# Allegro board IMX7D EVK BOARD REV D_160314.brd (continued)
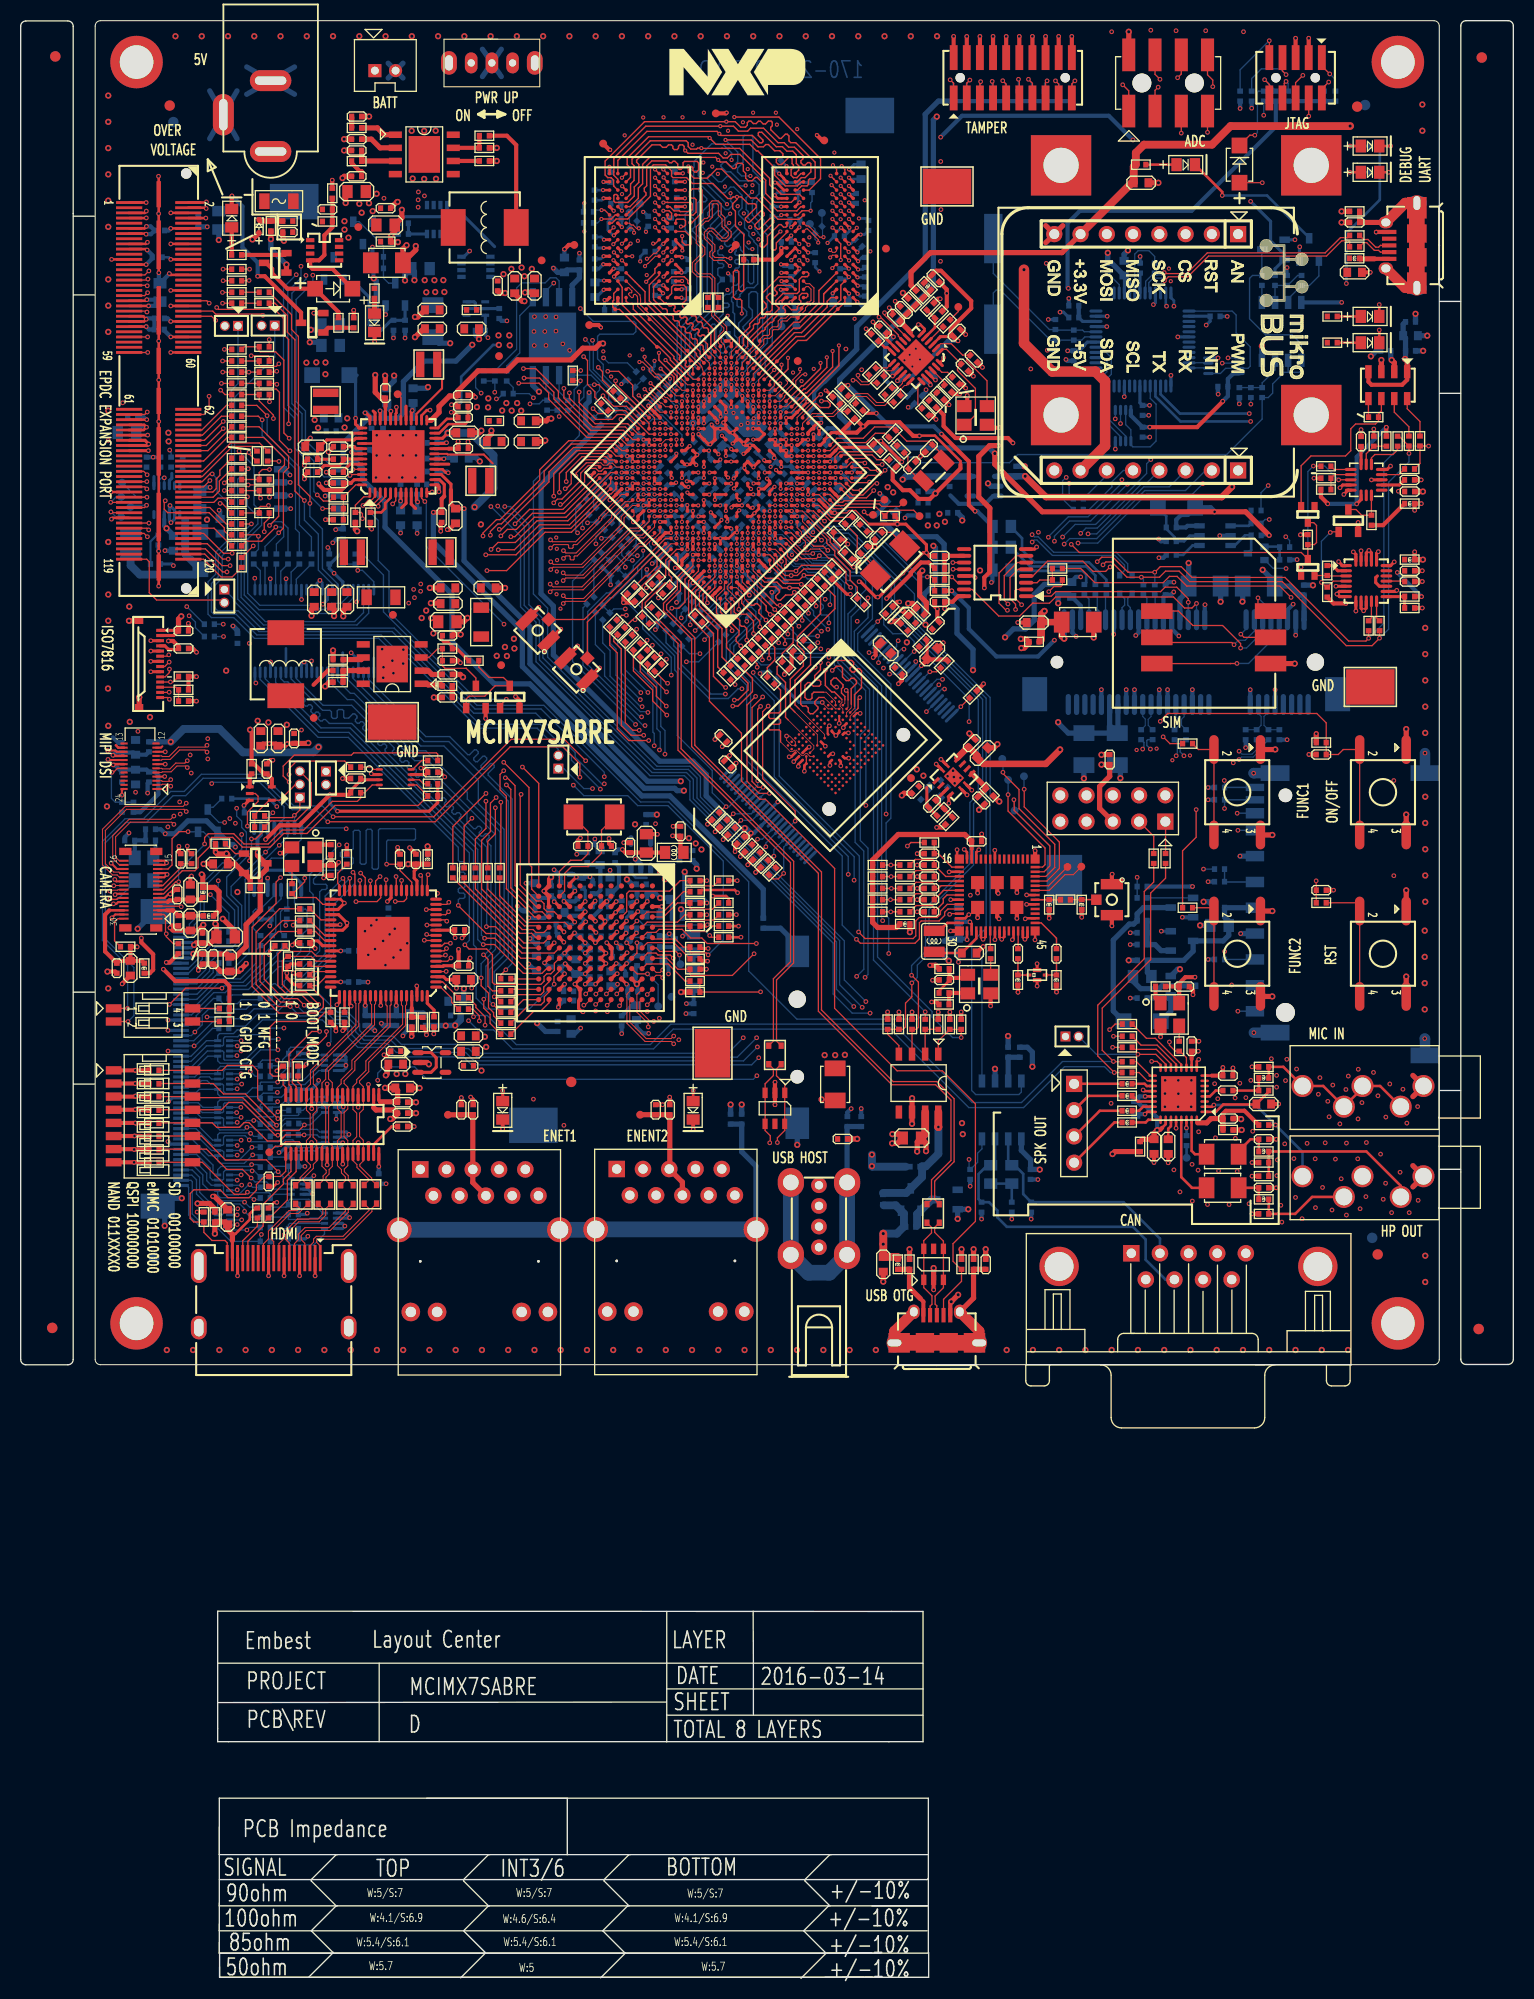
[diagram p0: board, top side]
## Routing (per net, layer and track width the routed paths; a pad name or vN(x,y) marks a point on that pad's centre or on a via; arc(x,y) is an arc through that point) (continued)
  BOTTOM w0.127: v1(8.65,104.44) 8.72,104.36 9.36,104.36 11.03,106.04 X4.3
D_USB_DN: length 3.4
  TOP w0.127: J11.2 131.51,166.97 131.34,167.14 130.93,167.14 130.19,167.89 129.9,167.89 R160.1
D_USB_DP: length 3.4
  TOP w0.127: J11.3 131.51,167.62 131.34,167.45 131.06,167.45 130.31,168.19 129.9,168.19 R158.1
DBG_5V: length 2.9
  TOP w0.406: 130.93,166.32 J11.1
  TOP w0.508: 130.93,166.32 129.54,166.32 L19.1
DBG_DA: length 2.4
  BOTTOM w0.127: R165.2 106.25,163.82 U18.2
DBG_RXLED1: length 2.9
  TOP w0.254: D8.1 v1(128.59,177.23)
  BOTTOM w0.254: v1(128.59,177.23) R161.2
DBG_RXLED2: length 2.3
  TOP w0.254: D10.1 R166.2
DBG_TXLED1: length 3
  TOP w0.254: v1(128.56,174.69) D9.1
  BOTTOM w0.254: R162.2 v1(128.56,174.69)
DBG_TXLED2: length 2.3
  TOP w0.254: D11.1 R167.2
DBG_XTIN: length 15.7
  BOTTOM w0.127: Y4.2 94.07,163.02 94.35,163.29 94.75,163.29 99.6,158.44 C243.2 100.09,158.46 R164.1 102.62,158.46 102.93,158.77 U18.43
DBG_XTOUT: length 15.6
  BOTTOM w0.127: U18.44 102.87,159.27 102.72,159.42 R164.2 100.14,159.42 C244.2 99.5,159.48 94.07,164.91 Y4.1
DC_SW: length 20.2
  TOP w0.406: v1(30.14,173.93) R540.2
  L3_INT_1 w0.406: SW1.1 43.57,183.51 41.97,181.91 37.65,181.91 30.14,174.39 v1(30.14,173.93)
DC_SW_CTL: length 13
  TOP w0.406: D20.2 30.16,165.35 28.23,165.35 28,165.58 Q2.4 28.86,166.18 29.37,166.69 29.37,168.6 30.15,169.37 R539.2 C394.2 30.15,172.17 R540.1
DDR_SDCLK0_N: length 4.7
  TOP w0.102: 67.67,157.98 U7.AD25
  TOP w0.104: 67.67,157.98 67.47,158.18 67.47,158.6 67.47,158.83 68.01,159.37 68.01,159.64 66.84,160.81 66.84,161.26 R618.1
DDR_SDCLK0_P: length 5.3
  TOP w0.104: U7.AD24 68.04,158.01 67.75,158.3 67.75,158.6 67.75,158.72 68.29,159.25 68.29,159.76 67.12,160.93 67.12,161.25 R617.1
DDR_VREF: length 29
  TOP w0.137: U9.M8 v3(58.15,170.97)
  TOP w0.254: U7.AC13 v3(73.51,151.48) ; v3(75.33,171.78) U8.M8 ; v3(81.24,168.66) 81.01,168.66 U8.H1 ; 39.47,150.71 U4.25 ; U9.H1 63.36,168.03 64,167.39 v3(64,167.12)
  TOP w0.508: v2(56.32,158.13) 56.04,158.13 55.59,157.68 54.37,157.68 53.24,156.55 48.06,156.55 47,155.49 44.24,155.49 42.3,153.55 C29.1 42.24,153.06 41.49,153.06 40.47,152.04 40.47,151.47 39.7,150.71 39.47,150.71
  BOTTOM w0.254: v3(58.15,170.97) 58.15,171.56 C137.1 ; C141.1 74.09,152.06 v3(73.51,151.48) ; C139.1 64,167.65 v3(64,167.12) ; C138.1 75.2,171.91 v3(75.33,171.78) ; v3(81.24,168.66) 81.6,168.66 C136.1
DEBUG_V50: length 30.8
  BOTTOM w0.254: v1(128.22,163.93) 128.22,168.79 131.46,172.03 R162.1 R161.1
  BOTTOM w0.305: 106.75,164.68 107.25,164.18 U18.4 ; 106.75,164.68 U18.3 ; 106.75,164.68 C358.1 ; U18.31 108.25,152.4 C359.1 v1(109.18,152.15) ; 102.85,157.94 103.18,158.27 U18.42 ; U18.14 115.04,160.77 R294.1 115.04,160.29 v1(114.67,159.91)
  BOTTOM w0.406: R157.1 v1(101.38,162.49) ; 102.85,157.94 102.33,157.42 C360.1 v1(101.26,157.42)
  BOTTOM w0.508: C358.1 105.53,165.9 R165.1 105.14,166.89 v2(105.15,166.9)
DRAM0_ZQ: length 3.5
  TOP w0.137: U8.L8 75.16,170.57 75.57,170.97 v3(76.41,170.97)
  BOTTOM w0.137: v3(76.41,170.97) 76.41,171.74 76.54,171.87 R83.2
DRAM0_ZQ1: length 1.5
  TOP w0.137: U8.L9 73.58,170.57 v3(73.57,170.55)
  BOTTOM w0.137: v3(73.57,170.55) 73.42,170.4 R81.2
DRAM1_ZQ: length 2.7
  TOP w0.137: U9.L8 57.51,170.57 57.12,170.17 v3(56.17,170.17)
  BOTTOM w0.137: R84.2 55.79,169.8 v3(56.17,170.17)
DRAM1_ZQ1: length 1.8
  TOP w0.127: v3(56.19,171.03) 56.49,171.03 U9.L9
  BOTTOM w0.137: v3(56.19,171.03) 55.56,171.03 R82.2
DRAM_ADDR0: length 54.3
  TOP w0.102: v3(69.79,154.12) 69.79,154.12 U7.AB19
  TOP w0.137: U8.N3 v3(78.51,172.57) ; U9.N3 v3(61.36,172.57)
  L6_INT_2 w0.137: v3(61.36,172.57) U9.N3 63.67,172.17 64.07,172.57 64.53,172.57 64.75,172.35 67.73,172.35 68.55,173.17 69,173.17 69.17,173.33 69.48,173.33 70.06,172.76 70.7,172.76 v3(70.74,172.8) 70.75,172.8 71.3,173.35 71.3,173.9 71.43,174.04 71.43,174.17 72.57,175.31 73.29,175.31 73.93,174.67 75.86,174.67 77.95,172.57 v3(78.51,172.57)
  BOTTOM w0.102: 70.44,155.29 70.4,155.29 69.79,154.68 v3(69.79,154.12)
  BOTTOM w0.137: v3(70.74,172.8) 70.17,172.22 70.17,171.09 70.37,170.89 70.37,170.54 70.32,170.49 70.32,170.29 71.02,169.59 71.02,169.17 71.33,168.87 71.33,168.8 71.75,168.38 71.75,163.74 71.76,163.73 71.76,158.4 71.62,158.26 71.42,158.26 71.27,158.41 71.27,162.96 71.09,163.14 70.67,163.14 70.43,162.9 70.43,161.68 70.77,161.34 70.77,160.65 69.87,159.76 69.87,159.58 70.36,159.09 70.36,158.28 71.08,157.56 71.08,155.93 70.44,155.29
DRAM_ADDR1: length 58.5
  TOP w0.102: v3(71.38,152.54) 71.38,152.54 U7.AB16
  TOP w0.137: v3(58.18,173.35) 58.38,173.15 U9.P7 ; U8.P7 76.26,172.97 77.36,174.07 77.36,176.01 73.34,180.03 v3(69.03,180.03)
  L3_INT_1 w0.102: v3(71.38,152.54) 71.25,153.23 70.99,153.49 70.99,153.72 71.39,154.11
  L3_INT_1 w0.137: v3(58.18,173.35) 64.87,180.03 v3(69.03,180.03) 69.28,179.46 71.24,177.5 71.24,170.69 69.94,169.38 69.94,165.09 70.46,164.57 70.46,161.47 70.82,161.11 70.82,155.22 71.39,154.65 71.39,154.11
DRAM_ADDR2: length 55.4
  TOP w0.102: v3(70.86,154.13) 70.85,154.12 U7.AC18
  TOP w0.137: U9.P3 v3(61.36,173.37) ; U8.P3 v3(78.43,173.45)
  L6_INT_2 w0.137: v3(61.36,173.37) U9.P3 61.99,172.97 62.52,172.97 63.47,173.92 63.76,173.92 64.02,174.17 64.43,174.17 65.48,173.13 66.75,173.13 67.86,174.24 69.43,174.24 69.52,174.34 v3(70.58,174.34) 70.58,174.65 70.82,174.9 70.82,175.1 70.65,175.27 70.65,175.47 71.51,176.32 75.17,176.32 78.03,173.45 v3(78.43,173.45)
  BOTTOM w0.102: v3(70.86,154.13) 72.01,155.28 72.01,155.3
  BOTTOM w0.137: v3(70.58,174.34) 69.73,174.34 69.33,174.73 69.33,175.09 69.87,175.63 69.87,178.12 70.01,178.25 70.69,178.25 70.82,178.12 70.82,174.82 71.9,173.75 71.9,172.53 71.18,171.81 71.18,170.77 71.92,170.03 71.92,169.76 72.69,168.99 72.69,157.94 72.01,157.26 72.01,155.3
DRAM_ADDR3: length 56.1
  TOP w0.102: U7.AC20 v3(69.79,155.2)
  TOP w0.137: v3(62.16,172.57) 62.17,172.57 62.17,172.56 U9.N2 ; U8.N2 v3(79.32,172.57)
  L6_INT_2 w0.137: v3(62.16,172.57) 62.56,172.57 62.66,172.47 62.82,172.47 62.96,172.6 62.96,172.74 62.89,172.81 62.89,172.91 63.07,173.09 63.22,173.09 63.35,172.96 63.35,172.81 63.57,172.6 63.71,172.6 63.84,172.73 63.84,172.84 63.75,172.94 63.75,173.08 63.44,173.39 63.44,173.48 63.44,173.48 63.6,173.64 63.78,173.64 64.05,173.37 64.74,173.37 65.01,173.1 65.01,172.88 65.15,172.74 67.44,172.74 67.65,172.94 67.65,173.46 68.03,173.85 68.31,173.85 68.61,173.56 68.78,173.56 69.07,173.85 69.83,173.85 69.95,173.73 69.95,173.58 v3(70.12,173.42) 70.61,173.91 70.75,173.91 71.04,174.2 71.04,174.56 72.41,175.93 74.87,175.93 75.42,175.37 75.65,175.37 78.04,172.98 79.2,172.98 79.32,172.87 v3(79.32,172.57)
  BOTTOM w0.137: v3(70.12,173.42) 70.07,173.37 69.48,173.37 68.56,174.29 68.31,174.29 67.81,173.78 67.48,173.78 66.86,174.41 66.6,174.41 66.42,174.23 66.42,174.05 67.75,172.72 68.11,172.72 68.65,173.26 68.98,173.26 69.78,172.46 69.78,171.23 69.44,170.89 69.44,170.61 70.02,170.04 70.02,169.33 70.43,168.92 70.43,168.57 70.91,168.08 70.91,167.98 71.29,167.61 71.29,163.9 70.92,163.53 70.24,163.53 69.57,162.87 69.57,162.69 69.29,162.41 69.29,161.8 69.43,161.66 69.78,161.66 70.21,161.23 70.21,160.87 69.44,160.1 69.44,159.36 69.8,159 69.8,158.18 70.57,157.4 70.57,156.29 70.23,155.94 70.23,155.63 v3(69.79,155.2)
DRAM_ADDR4: length 61.2
  TOP w0.102: U7.AB21 v3(68.73,155.2)
  TOP w0.137: U9.P8 57.35,173.38 57.35,173.93 57.12,174.16 57.11,174.16 57.1,174.18 56.78,174.18 56.53,174.43 56.53,175.77 60.34,179.59 v3(68.26,179.59) 69.11,179.59 69.64,179.06 70.1,179.06 70.28,179.23 70.28,179.49 70.43,179.64 70.63,179.64 70.86,179.4 71.13,179.4 71.36,179.63 71.55,179.63 71.81,179.37 72.04,179.37 72.32,179.64 72.58,179.64 72.69,179.53 72.69,179.19 72.55,179.05 72.55,178.81 73.39,177.97 73.56,177.97 73.97,178.38 74.13,178.38 74.31,178.21 74.31,177.73 74.49,177.55 74.96,177.55 76.84,175.67 76.84,174.16 76.73,174.05 76.3,174.05 76.19,173.94 76.19,173.51 76.06,173.38 75.54,173.38 75.13,172.97 U8.P8
  L3_INT_1 w0.102: v3(68.73,155.2) 68.73,155.72 69.12,156.11
  L3_INT_1 w0.137: 69.12,156.11 69.33,156.33 69.33,159.68 68.79,160.22 68.79,161.39 69.67,162.27 69.67,164.23 69.15,164.75 69.15,167.71 68.09,168.78 68.09,170.85 68.42,171.18 68.51,171.18 68.69,171.36 68.69,171.38 68.74,171.43 68.74,171.98 68.23,172.49 68.23,172.84 69.18,173.79 69.18,178.66 v3(68.26,179.59)
DRAM_ADDR5: length 57.8
  TOP w0.102: U7.Y23 v3(66.61,155.2)
  TOP w0.137: U9.P2 v3(62.16,173.37) ; U8.P2 v3(79.32,173.37)
  L3_INT_1 w0.137: v3(66.61,155.2) 66.61,155.91 67.13,156.42 67.13,159.24 67.01,159.36 66.84,159.36 66.72,159.24 66.72,156.79 66.6,156.67 66.43,156.67 66.31,156.79 66.31,159.4 66.66,159.76 66.93,159.76 67.13,159.96 67.13,161.5 67.36,161.73 67.36,161.9 67.07,162.19 67.07,162.71 67.29,162.93 67.29,163.13 66.99,163.43 66.99,163.62 67.2,163.83 67.2,164.01 67.08,164.13 67.03,164.13 66.91,164.25 66.91,164.42 67.03,164.54 67.08,164.54 67.2,164.66 67.2,164.83 67.08,164.95 67.03,164.95 66.91,165.07 66.91,165.24 67.03,165.37 67.08,165.37 67.2,165.49 67.2,165.75 67.09,165.86 67.09,166.01 66.98,166.12 66.98,166.31 67.23,166.56 67.23,166.82 66.96,167.09 66.96,167.76 67.1,167.91 67.1,168.1 66.91,168.29 66.91,171.39 67.08,171.56 67.08,172.04 66.91,172.21 66.91,173.85 67.36,174.3 67.36,174.3 67.44,174.38 v3(67.44,174.53)
  L6_INT_2 w0.137: v3(79.32,173.37) 78.81,173.87 78.17,173.87 75.33,176.71 71.35,176.71 69.27,174.63 67.54,174.63 v3(67.44,174.53) 67.44,174.37 67.3,174.23 67.1,174.23 66.92,174.42 66.53,174.42 66.36,174.24 66.36,174.11 66.48,173.99 66.57,173.99 66.71,173.85 66.71,173.66 66.57,173.52 66.14,173.52 66,173.66 66,173.85 65.87,173.98 65.67,173.98 65.45,173.76 65.28,173.76 65.17,173.87 65.17,174.02 65.51,174.36 65.51,174.64 65.41,174.73 65.27,174.73 64.96,174.42 64.77,174.42 64.66,174.53 64.66,174.67 65.21,175.23 65.21,175.8 65.03,175.97 64.88,175.97 64.77,175.87 64.77,175.75 64.69,175.67 64.46,175.67 64.23,175.91 64.07,175.91 63.93,175.76 63.93,175.58 64.14,175.36 64.14,175.22 63.99,175.07 63.85,175.07 63.59,175.33 63.36,175.33 63.26,175.23 63.26,174.84 63.6,174.51 63.6,174.31 63.48,174.2 63.25,174.2 62.42,173.37 v3(62.16,173.37)
DRAM_ADDR6: length 58.5
  TOP w0.102: U7.V22 v3(66.08,153.6)
  TOP w0.137: U9.R8 57.76,174.01 57.37,174.41 57.37,174.73 57.37,174.73 57.37,176 57.37,176.01 57.37,176.07 60.46,179.15 v3(67.67,179.15) 68.94,179.15 69.42,178.67 70.3,178.67 70.59,178.96 71.85,178.96 73.25,177.55 73.84,177.55 74.27,177.12 74.84,177.12 75.66,176.3 75.66,176 75.47,175.8 75.47,175.61 75.68,175.39 75.88,175.39 76.12,175.63 76.31,175.63 76.43,175.51 76.43,174.73 75.88,174.18 75.51,174.18 75.1,173.77 U8.R8
  L3_INT_1 w0.102: v3(66.08,153.6) 65.55,153.6 64.91,154.25
  L3_INT_1 w0.137: v3(67.67,179.15) 67.25,178.73 67.09,178.36 67.09,177.86 66.65,176.92 66.65,176.69 66.17,176.21 65.76,175.97 65.6,175.81 65.6,175.58 65.47,175.08 64.97,174.57 63.98,174.11 63.3,173.43 63.3,169.35 63.64,169 64.11,169 65.2,167.91 65.2,162.16 64.45,161.41 64.45,154.71 64.91,154.25
DRAM_ADDR7: length 59
  TOP w0.137: U7.Y22 v3(67.14,154.67) ; U9.R2 62.18,174.14 v3(62.18,174.19) ; U8.R2 v3(79.32,174.17)
  L3_INT_1 w0.102: v3(67.14,154.67) 66.61,154.67 65.65,155.63
  L3_INT_1 w0.137: v3(66.89,175.24) 66.89,175.26 67.09,175.45 67.42,175.45 67.51,175.37 67.51,175.09 67.37,174.96 67.26,174.96 67.25,174.95 67.25,174.95 67,174.7 67,174.5 66.52,174.01 66.52,170.59 66.38,170.44 66.24,170.44 66.1,170.58 66.1,172.2 65.95,172.35 65.77,172.35 65.65,172.23 65.65,169.2 66.4,168.45 66.4,161.52 65.65,160.77 65.65,155.63
  L6_INT_2 w0.137: v3(62.18,174.19) 62.63,174.65 62.63,175.26 62.26,175.63 62.04,175.63 61.83,175.42 61.61,175.42 61.44,175.59 61.44,175.79 62.01,176.36 62.32,176.36 62.77,175.91 62.96,175.91 63.62,176.57 63.62,176.75 63.45,176.92 63.26,176.92 63.02,176.68 62.82,176.68 62.68,176.83 62.68,177.02 63.14,177.49 64.23,177.49 64.88,176.84 65.33,176.84 65.96,176.21 66.21,176.21 66.61,176.61 66.81,176.61 67.11,176.32 67.11,176.12 66.94,175.96 66.6,175.96 66.48,175.83 66.48,175.42 66.66,175.24 v3(66.89,175.24) 67.07,175.42 68.94,175.42 71.08,177.56 75.7,177.56 78.41,174.86 78.62,174.86 v3(79.32,174.17)
DRAM_ADDR8: length 55.5
  TOP w0.102: U7.W22 v3(66.61,154.13)
  TOP w0.137: U8.T8 75.25,174.9 75.25,175.32 75.02,175.55 75.02,176.39 74.68,176.73 74.11,176.73 73.68,177.16 73.08,177.16 71.68,178.56 71.42,178.56 71.35,178.49 71.35,178.25 71.79,177.81 71.79,177.66 71.68,177.54 71.48,177.54 70.77,178.25 67.74,178.25 v3(67.58,178.41) 67.34,178.65 60.57,178.65 57.76,175.84 U9.T8
  L3_INT_1 w0.102: 65.59,154.65 66.1,154.13 v3(66.61,154.13)
  L3_INT_1 w0.137: v3(67.58,178.41) 67.58,178.14 67.74,177.99 67.74,177.85 67.4,177.52 67.4,176.88 66.57,176.04 66.57,175.57 66.4,175.4 66.4,174.47 66.1,174.17 66.1,172.95 65.89,172.74 65.72,172.74 65.44,173.03 65.44,173.21 65.67,173.45 65.67,173.84 65.59,173.93 65.45,173.93 65.13,173.61 65.13,173.51 64.81,173.2 64.81,173 65.26,172.56 65.26,171.84 64.92,171.5 64.92,171.07 65.26,170.73 65.26,169.51 65.13,169.38 65.13,169.16 66.01,168.29 66.01,161.68 65.26,160.93 65.26,154.98 65.59,154.65
DRAM_ADDR9: length 58.5
  TOP w0.102: U7.V23 v3(65.55,154.13)
  TOP w0.137: v3(78.33,174.35) 78.65,174.03 U8.R3 ; U9.R3 v3(61.36,174.17)
  L3_INT_1 w0.137: v3(65.98,174.64) 65.61,174.64 64.79,173.82 64.79,173.64 64.52,173.37 63.9,173.37 63.64,173.11 63.64,172.71 63.78,172.57 64.59,172.57 64.79,172.36 64.79,171.91 64.65,171.77 63.8,171.77 63.66,171.63 63.66,171 63.83,170.83 64.54,170.83 64.72,170.66 64.72,170.44 64.56,170.28 63.75,170.28 63.66,170.19 63.66,169.96 63.74,169.88 64.02,169.88 64.33,169.57 64.33,169.38 65.62,168.09 65.62,162.04 64.95,161.37 64.95,161.36 64.84,161.25 64.84,154.84 v3(65.55,154.13)
  L6_INT_2 w0.137: v3(61.36,174.17) 60.9,174.17 60.66,173.93 60.16,173.93 59.44,174.64 59.26,174.64 58.53,173.91 58.53,173.72 58.66,173.59 58.84,173.59 59.27,174.01 59.46,174.01 59.98,173.5 60.87,173.5 61.15,173.77 62.4,173.77 62.96,174.33 62.96,175.35 63.98,176.37 65.19,176.37 65.58,175.98 65.58,175.44 65.98,175.04 v3(65.98,174.64) 66.14,174.81 67.11,174.81 67.33,175.03 69.1,175.03 71.2,177.12 75.56,177.12 v3(78.33,174.35)
DRAM_ADDR10: length 57.6
  TOP w0.102: v3(64.49,153.07) 64.49,153.07 U7.T23
  TOP w0.137: U8.L7 75.3,170.15 73.24,170.15 71.18,172.2 70.6,172.2 67.8,175 67.3,175 66.42,174.12 65.13,174.12 64.57,174.68 v3(64.57,175.26) 64.9,175.26 65.02,175.13 65.02,174.87 65.18,174.72 65.36,174.72 65.56,174.91 65.56,175.61 65.42,175.74 64.21,175.74 64.07,175.61 64.07,175.18 63.86,174.97 63.69,174.97 63.55,175.11 63.55,175.49 63.28,175.76 63.1,175.76 62.96,175.61 62.77,175.61 62.6,175.79 61.04,175.79 60.55,175.3 60.55,173.39 60.32,173.15 60.32,172.87 60.48,172.71 60.48,172.49 58.82,170.83 U9.L7
  L3_INT_1 w0.137: v3(64.57,175.26) 64.57,175.8 64.44,175.94 64.17,175.94 64.05,175.82 64.05,175.7 63.93,175.58 63.76,175.58 63.64,175.7 63.64,175.82 63.52,175.94 62.83,175.94 62.62,175.73 62.62,168.56 63.6,167.57 64.25,167.57 64.41,167.41 64.41,162.45 63.64,161.68 63.64,154.42 63.26,154.04 63.26,153.61 63.55,153.33 64.24,153.33 v3(64.49,153.07)
DRAM_ADDR11: length 54.7
  TOP w0.102: U7.U22 65.55,152.54 v3(65.55,153.07)
  TOP w0.137: U8.R7 75.51,173.77 75.12,173.38 73.95,173.38 72.93,174.4 72.93,175.13 71.29,176.76 71.16,176.76 70.52,177.4 68.35,177.4 68.35,177.4 68,177.4 68,177.4 67.25,177.4 v3(66.64,178) 66.51,178.13 60.73,178.13 58.67,176.06 58.67,175.42 58.98,175.1 58.98,174.19 U9.R7
  L3_INT_1 w0.102: 65.1,175.71 65.1,175.68 ; v3(65.55,153.07) 65.02,153.07 64.5,153.6
  L3_INT_1 w0.137: 64.5,153.6 64.05,154.04 64.05,161.66 64.79,162.4 64.79,167.57 64.39,167.96 63.71,167.96 62.99,168.68 62.99,175.3 63.13,175.44 63.34,175.44 63.61,175.17 64.08,175.17 64.4,174.85 64.76,174.85 65.1,175.18 65.1,175.68 ; v3(66.64,178) 66.15,177.51 66.15,177.32 66.26,177.21 66.26,176.85 66.01,176.61 65.39,176.61 65.1,176.32 65.1,175.71
DRAM_ADDR12: length 55.7
  TOP w0.102: U7.T22 v3(65.02,152.54)
  TOP w0.137: U9.N7 58.99,172.6 58.99,173.56 59.33,173.9 59.33,175.33 59.13,175.52 59.13,175.98 60.89,177.74 64.37,177.74 64.56,177.55 64.56,177.18 64.81,176.93 65.37,176.93 65.47,177.03 v3(65.84,177.03) 65.86,177.01 67.83,177.01 68.51,177 69.54,177.01 72.44,174.11 72.44,173.5 72.78,173.15 72.98,173.15 73.57,172.56 75.32,172.56 U8.N7
  L3_INT_1 w0.102: 63.5,152.91 64.13,152.91 64.49,152.54 v3(65.02,152.54)
  L3_INT_1 w0.137: v3(65.84,177.03) 65.65,177.22 65.45,177.22 65.16,176.93 65.01,176.93 64.45,176.37 62.71,176.37 61.76,175.42 61.76,169.1 61.48,168.83 61.48,168.68 61.95,168.22 62.32,168.22 63.37,167.17 63.37,162.3 63.23,162.16 63.23,154.51 62.81,154.1 62.81,153.6 63.5,152.91
DRAM_ADDR13: length 57
  TOP w0.102: U7.P23 v3(63.43,152.01)
  TOP w0.137: U8.T3 78.92,175.03 v3(78.56,175.38) ; U9.T3 v3(61.36,174.97)
  L6_INT_2 w0.137: v3(78.56,175.38) 78.56,175.38 75.99,177.95 70.83,177.95 v3(68.76,175.88) 68.18,175.88 67.07,177 66.49,177 65.61,177.88 62.97,177.88 60.26,175.17 60.26,175 60.43,174.84 60.6,174.84 60.97,175.21 61.12,175.21 v3(61.36,174.97)
  BOTTOM w0.137: v3(63.43,152.01) 62.89,152.55 62.89,153.49 63.49,154.1 63.49,160.09 65.4,162 65.4,168.02 64.27,169.15 64.27,170.64 64.72,171.09 64.72,174.79 65.13,175.2 65.13,175.74 66.84,177.45 67.88,177.45 68.76,176.57 v3(68.76,175.88)
DRAM_ADDR14: length 56.8
  TOP w0.102: U7.AB18 v3(70.32,153.58)
  TOP w0.137: U9.T7 v3(58.16,174.17) ; v3(68.17,177.82) 70.65,177.82 71.32,177.15 71.84,177.15 72.06,177.37 72.32,177.37 72.92,176.77 73.43,176.77 73.72,176.48 73.72,176.29 73.55,176.12 73.26,176.12 73.09,175.95 73.09,175.65 73.3,175.44 73.6,175.44 74.31,176.15 74.45,176.15 74.61,175.99 74.61,175.52 74.74,175.4 74.74,175.17 74.52,174.94 74.52,174.4 74.73,174.18 74.75,174.18 74.75,174.18 75.08,174.18 75.09,174.18 75.47,174.57 U8.T7
  L6_INT_2 w0.137: v3(68.17,177.82) 67.54,177.82 66.69,178.67 62.66,178.67 v3(58.16,174.17)
  BOTTOM w0.102: 71,154.82 70.32,154.14 v3(70.32,153.58)
  BOTTOM w0.137: 71,154.82 71,155.19 71.56,155.75 71.56,157.53 72.23,158.19 72.23,168.61 71.42,169.42 71.42,169.9 70.77,170.55 70.77,171.97 71.42,172.62 71.42,173.49 71.04,173.87 70.34,173.87 70.34,173.87 69.53,173.87 68.67,174.73 68.26,174.73 67.74,175.26 67.74,175.4 68.04,175.7 68.22,175.7 68.65,175.27 68.9,175.27 69.35,175.72 69.35,176.64 v3(68.17,177.82)
DRAM_ADDR15: length 56
  TOP w0.102: U7.AB20 69.26,154.65 69.25,154.67 69.25,154.67 v3(69.25,154.67)
  TOP w0.137: U8.M7 75.47,171.37 75.06,170.96 73.2,170.96 71.67,172.49 71.67,173.76 71.23,174.2 71.06,174.2 70.73,173.87 70.38,173.87 70.12,174.12 70.12,174.59 69.9,174.82 69.9,175.42 69.76,175.56 69.35,175.56 69.21,175.42 69.21,175.18 69.08,175.06 68.87,175.06 68.24,175.69 67.66,175.69 v3(67.47,175.88) 67.21,176.14 63.53,176.14 63.48,176.18 60.88,176.18 60.16,175.46 60.16,173.59 59.74,173.17 59.74,172.18 58.93,171.37 U9.M7
  L3_INT_1 w0.102: 67.57,156.86 68.05,156.39 68.05,156.1 67.82,155.87 67.82,155.61 67.85,155.58 67.85,155.58 68.05,155.37 68.06,155.37 68.38,155.05 68.38,155.05 68.59,154.84 68.59,154.84 68.76,154.67 v3(69.25,154.67)
  L3_INT_1 w0.137: v3(67.47,175.88) 67.29,176.06 67.29,176.21 67.48,176.41 67.63,176.41 67.94,176.09 67.94,175.48 68.09,175.33 68.09,175.2 67.9,175 67.9,174.28 67.3,173.69 67.3,172.37 67.47,172.2 67.47,171.4 67.3,171.23 67.3,168.45 67.65,168.1 67.65,167.91 67.35,167.6 67.35,167.25 67.78,166.81 67.78,166.54 67.48,166.25 67.48,166.02 67.78,165.73 67.78,165.49 67.6,165.3 67.6,163.79 67.94,163.45 67.94,163.14 68.25,162.83 68.45,162.83 68.63,162.65 68.63,162.54 68.35,162.26 68.16,162.26 67.74,162.68 67.6,162.68 67.46,162.55 67.46,162.35 67.97,161.84 67.97,161.61 67.83,161.47 67.66,161.47 67.52,161.34 67.52,161.06 67.66,160.92 67.83,160.92 67.97,160.79 67.97,160.51 67.83,160.38 67.66,160.38 67.52,160.24 67.52,159.96 67.66,159.83 67.83,159.83 67.97,159.69 67.97,159.42 67.83,159.28 67.66,159.28 67.52,159.14 67.52,158.87 67.66,158.73 67.74,158.73 67.88,158.59 67.88,158.37 67.74,158.23 67.57,158.23 67.43,158.09 67.43,157.85 67.57,157.71 67.86,157.71 68.02,157.55 68.02,157.31 67.89,157.17 67.75,157.17 67.57,156.99 67.57,156.86
DRAM_CAS_B: length 53.7
  TOP w0.104: U7.AC14 v3(72.98,152.01)
  TOP w0.137: U9.K3 v3(61.36,170.17) ; U8.K3 v3(78.52,170.17)
  L3_INT_1 w0.137: v3(72.98,152.01) 72.98,152.88 72.69,153.16 72.69,155.1 72.03,155.77 72.03,161.1 72.76,161.84 72.76,165.16 72.98,165.38 72.98,167.84 74.1,168.96 74.1,171.58 73.75,171.93 73.54,171.93 73.37,172.09 73.37,172.78 73.02,173.14 72.48,173.14 72.28,173.33 72.28,173.59 72.44,173.75 72.44,173.97 72.23,174.19 72.23,174.5 72.44,174.72 72.44,174.94 72.3,175.08 71.84,175.08 71.7,174.94 71.7,170.52 v3(70.57,169.38)
  L6_INT_2 w0.137: v3(78.52,170.17) 77.4,170.17 77.01,170.55 76.25,170.55 75.48,171.32 74.94,171.32 74.56,171.7 74.25,171.7 74.04,171.49 74.04,171.21 73.79,170.96 72.54,170.96 71.7,170.12 71.31,170.12 v3(70.57,169.38) 70.18,169.38 70.01,169.21 67.73,169.21 67.66,169.13 65.09,169.13 64.8,169.42 64.56,169.42 64.09,169.89 63.16,169.89 63.04,169.77 U9.K3 v3(61.36,170.17)
DRAM_CS0_B: length 56.1
  TOP w0.137: U8.L2 v3(79.32,170.97) ; U9.L2 62.56,170.3 62.72,170.14 62.87,170.14 62.96,170.23 62.96,170.73 62.72,170.97 v3(62.16,170.97) ; U7.AB23 v3(67.67,156.26)
  L6_INT_2 w0.137: v3(79.32,170.97) 78.91,171.37 77.59,171.37 76.06,172.9 72.66,172.9 71.22,171.47 70.01,171.47 69.5,170.96 68.89,170.96 v3(68.62,170.69) 68.15,171.16 65.65,171.16 65.53,171.03 65.53,170.86 65.63,170.75 66.36,170.75 66.5,170.61 66.5,170.47 66.36,170.33 65.44,170.33 65.17,170.6 65.17,171.01 65.09,171.09 64.97,171.09 64.45,170.57 63.95,170.57 63.44,171.07 63.24,171.07 63.16,170.98 63.16,170.72 63.02,170.59 62.78,170.59 62.63,170.73 62.63,170.87 62.51,171 62.18,171 v3(62.16,170.97)
  BOTTOM w0.137: v3(67.67,156.26) 66.96,156.26 65.38,154.67 65.11,154.67 64.7,155.09 64.7,159.2 66.91,161.41 66.91,168.43 65.99,169.35 65.99,170.96 66.69,171.66 66.88,171.66 67.02,171.52 67.02,171.33 66.45,170.76 66.45,170.58 66.65,170.38 66.85,170.38 67.42,170.96 67.62,170.96 67.76,170.81 67.76,170.61 67.12,169.97 66.72,169.57 66.72,169.37 66.91,169.18 67.11,169.18 v3(68.62,170.69)
DRAM_CS1_B: length 57.2
  TOP w0.102: U7.AA22 v3(67.67,155.2)
  TOP w0.137: v3(64.77,169.83) 64.93,169.83 65.9,170.8 65.9,172.96 65.78,173.09 64.96,173.09 64.68,172.81 64.68,172.35 64.84,172.18 65.19,172.18 65.33,172.04 65.33,170.84 65.04,170.55 63.75,170.55 63.73,170.57 U9.L1 ; U8.L1 v3(80.12,170.97)
  L6_INT_2 w0.137: v3(64.77,169.83) 65.08,169.52 66.66,169.52 67.48,170.34 67.72,170.34 68.26,169.8 v3(68.53,169.8) 68.95,169.8 69.34,170.18 70.01,170.18 70.49,170.66 71.57,170.66 72.39,171.48 73.05,171.48 73.74,172.18 75.88,172.18 77.5,170.57 79.73,170.57 80.12,170.95 v3(80.12,170.97)
  BOTTOM w0.102: v3(67.67,155.2) 68.21,155.2 69.24,156.23 69.24,156.4
  BOTTOM w0.137: 69.24,156.4 69.59,156.74 69.59,156.95 69.35,157.19 69.17,157.19 68.87,156.88 68.72,156.88 68.56,157.04 68.56,157.19 68.76,157.38 68.76,157.67 68.57,157.85 68.44,157.85 68.26,157.67 68.26,157.49 67.98,157.22 67.8,157.22 67.67,157.34 67.67,157.82 68.02,158.17 68.02,158.5 67.65,158.88 67.65,159.32 67.77,159.45 67.77,159.86 67.55,160.08 67.55,160.59 67.95,160.98 67.95,161.49 68.07,161.61 68.39,161.61 68.51,161.73 68.51,161.9 68.39,162.02 68.07,162.02 67.95,162.15 67.95,162.64 68.19,162.89 68.54,162.89 68.79,163.14 68.79,163.56 68.99,163.76 69.24,163.76 69.51,164.03 69.51,164.9 69.39,165.02 69.2,165.02 69.08,165.14 69.08,165.31 69.2,165.43 69.39,165.43 69.51,165.55 69.51,165.72 69.39,165.84 69.2,165.84 69.08,165.96 69.08,166.13 69.2,166.25 69.39,166.25 69.51,166.37 69.51,166.54 69.39,166.66 69.2,166.66 69.08,166.78 69.08,166.96 69.19,167.07 69.19,167.33 68.88,167.64 68.63,167.64 68.51,167.51 68.3,167.51 68.08,167.74 68.08,167.92 69.35,169.19 69.35,169.33 69.11,169.57 69.02,169.57 67.62,168.17 67.48,168.17 67.3,168.35 67.3,168.57 v3(68.53,169.8)
DRAM_DATA0: length 13.5
  TOP w0.102: 70.32,157.85 69.26,156.79 U7.AD22
  TOP w0.137: U8.D7 75.79,165.05 76.08,165.05 76.21,164.91 76.21,164.73 76.08,164.6 75.87,164.6 75.58,164.6 75.31,164.33 75.31,163.17 75.11,162.97 73.73,162.97 73.03,162.27 73.03,161.87 73.34,161.57 73.34,161.47 70.32,158.45 70.32,157.85
DRAM_DATA1: length 11.8
  TOP w0.102: 69.18,157.77 68.73,157.32 U7.AD23
  TOP w0.137: U8.C8 74.52,164.57 73.32,164.57 71.67,162.92 71.67,162.38 72.12,161.93 72.12,161.64 70.51,160.03 70.51,159.73 69.51,158.72 69.51,158.09 69.18,157.77
DRAM_DATA2: length 13.1
  TOP w0.137: 78.36,163.61 U8.C3 ; 78.36,163.61 77.67,162.92 ; 78.36,163.61 77.67,162.92 ; 77.67,162.92 77.67,161.95 75.33,159.61 74.74,159.61 U7.AE20
DRAM_DATA3: length 11.7
  TOP w0.137: U8.B8 74.52,163.76 73.2,163.76 72.93,163.49 72.93,163.31 73.16,163.08 73.16,162.94 72.97,162.76 72.8,162.76 72.58,162.97 72.44,162.97 72.14,162.67 72.14,162.52 72.68,161.97 72.68,161.4 72.47,161.19 72.18,161.19 72.04,161.04 72.04,160.75 71.89,160.61 71.6,160.61 71.46,160.46 71.46,160.17 71.31,160.02 71.02,160.02 70.87,159.88 70.87,159.59 69.91,158.63 69.91,157.97 U7.AE23
DRAM_DATA4: length 11.9
  TOP w0.137: U7.AE22 70.8,157.79 70.8,158.45 71.69,159.34 71.85,159.34 72.01,159.5 72.01,159.65 72.53,160.17 72.68,160.17 72.84,160.34 72.84,160.49 73.36,161.01 73.82,161.01 73.97,161.16 73.97,161.34 73.75,161.55 73.75,161.66 73.95,161.86 74.09,161.86 74.56,161.39 75.01,161.39 75.12,161.5 75.12,161.7 75.46,162.04 75.46,162.23 75.31,162.38 75.31,162.74 75.55,162.98 76.05,162.98 76.12,162.9 76.12,162.7 75.99,162.57 U8.A7
